# KiCad board mainboard.kicad_pcb
title: ${TITLE}; date: ${DATE}; rev: ${VERSION}; company: ${COPYRIGHT}; note: ${LICENSE}
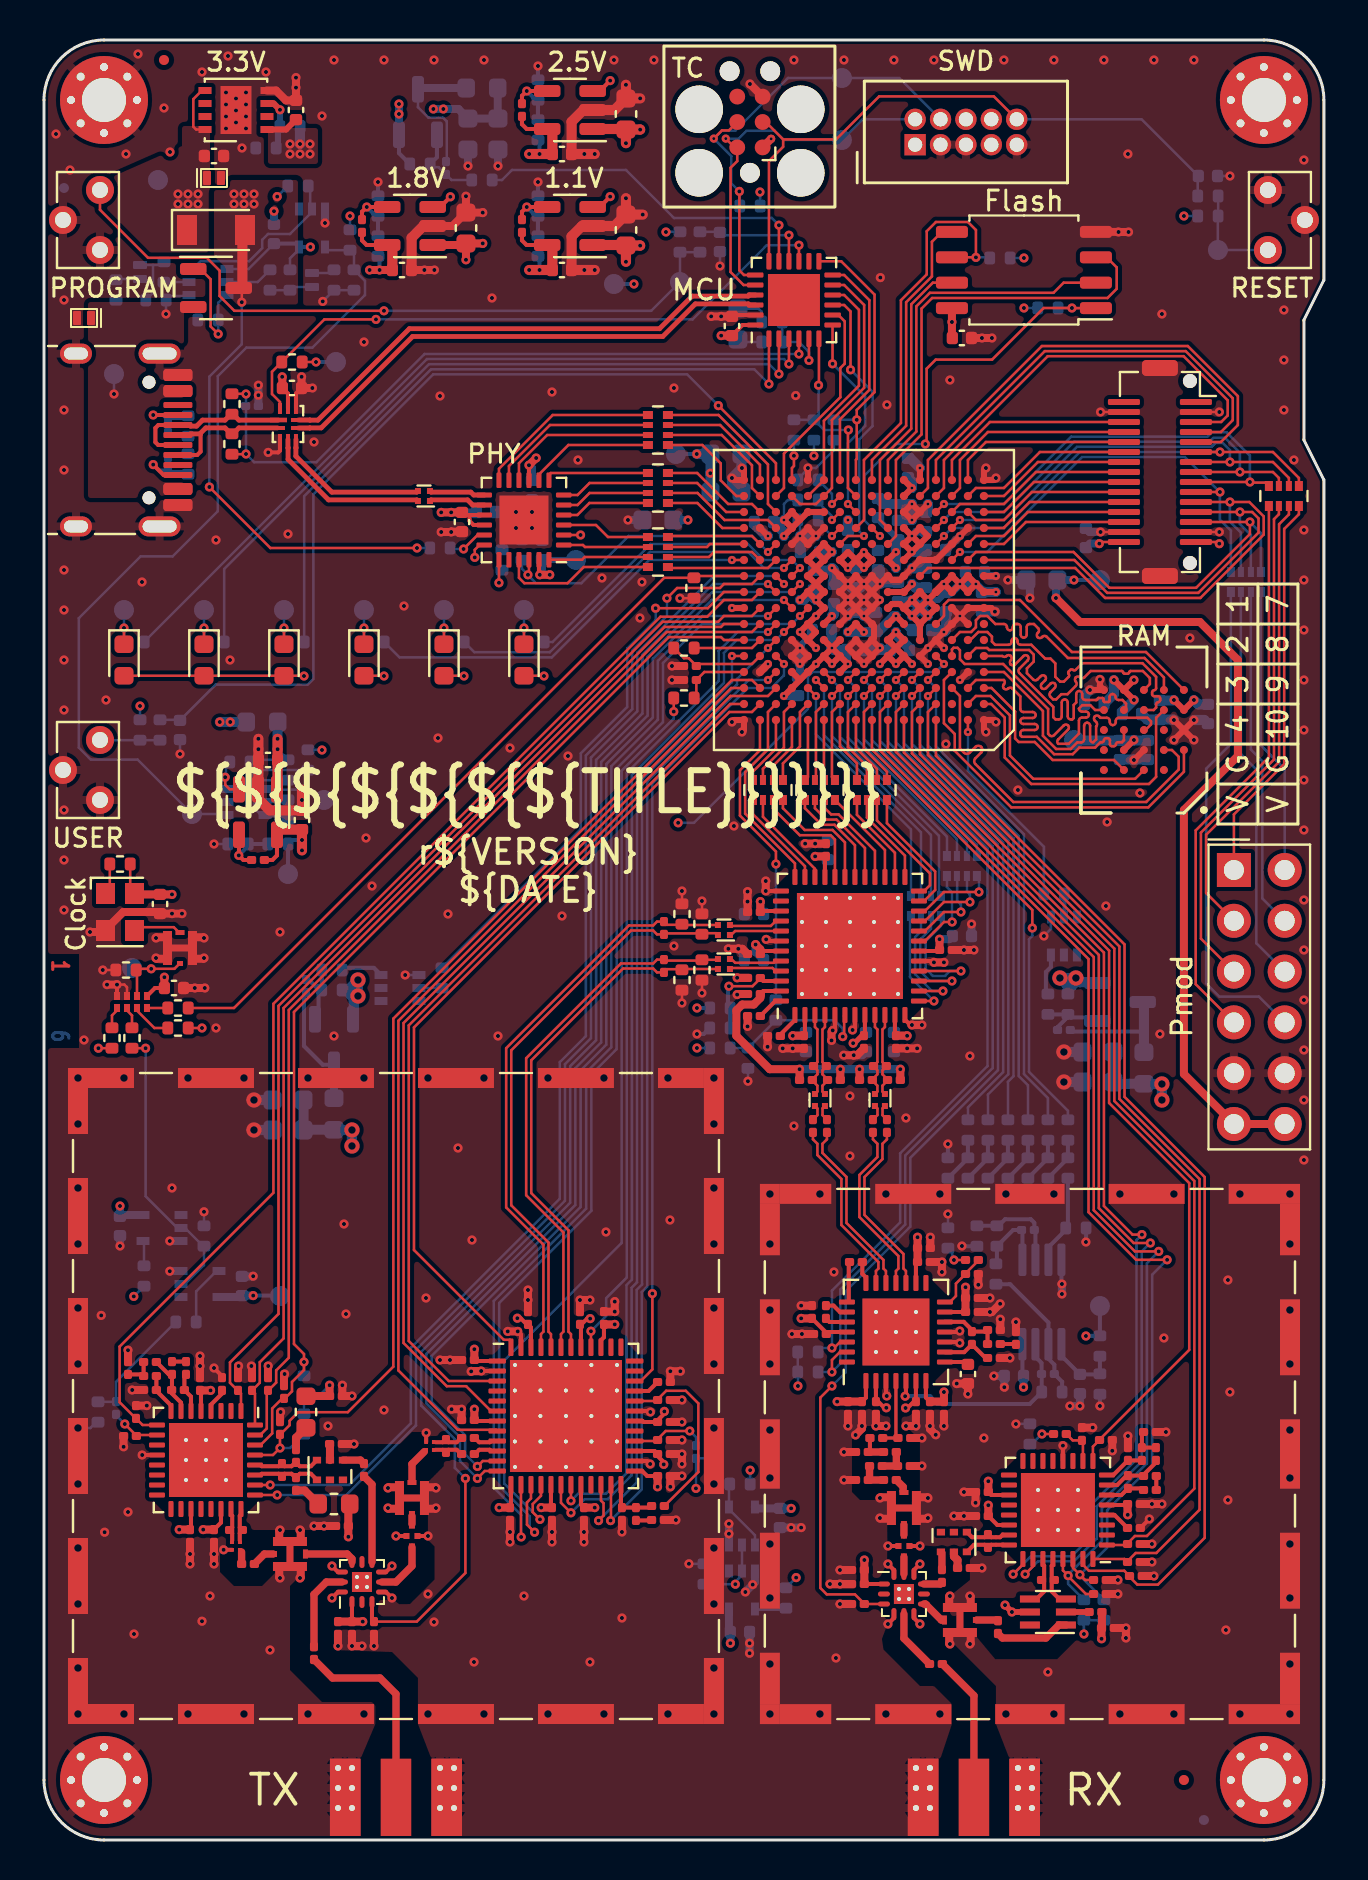
[diagram p0: board, top side]
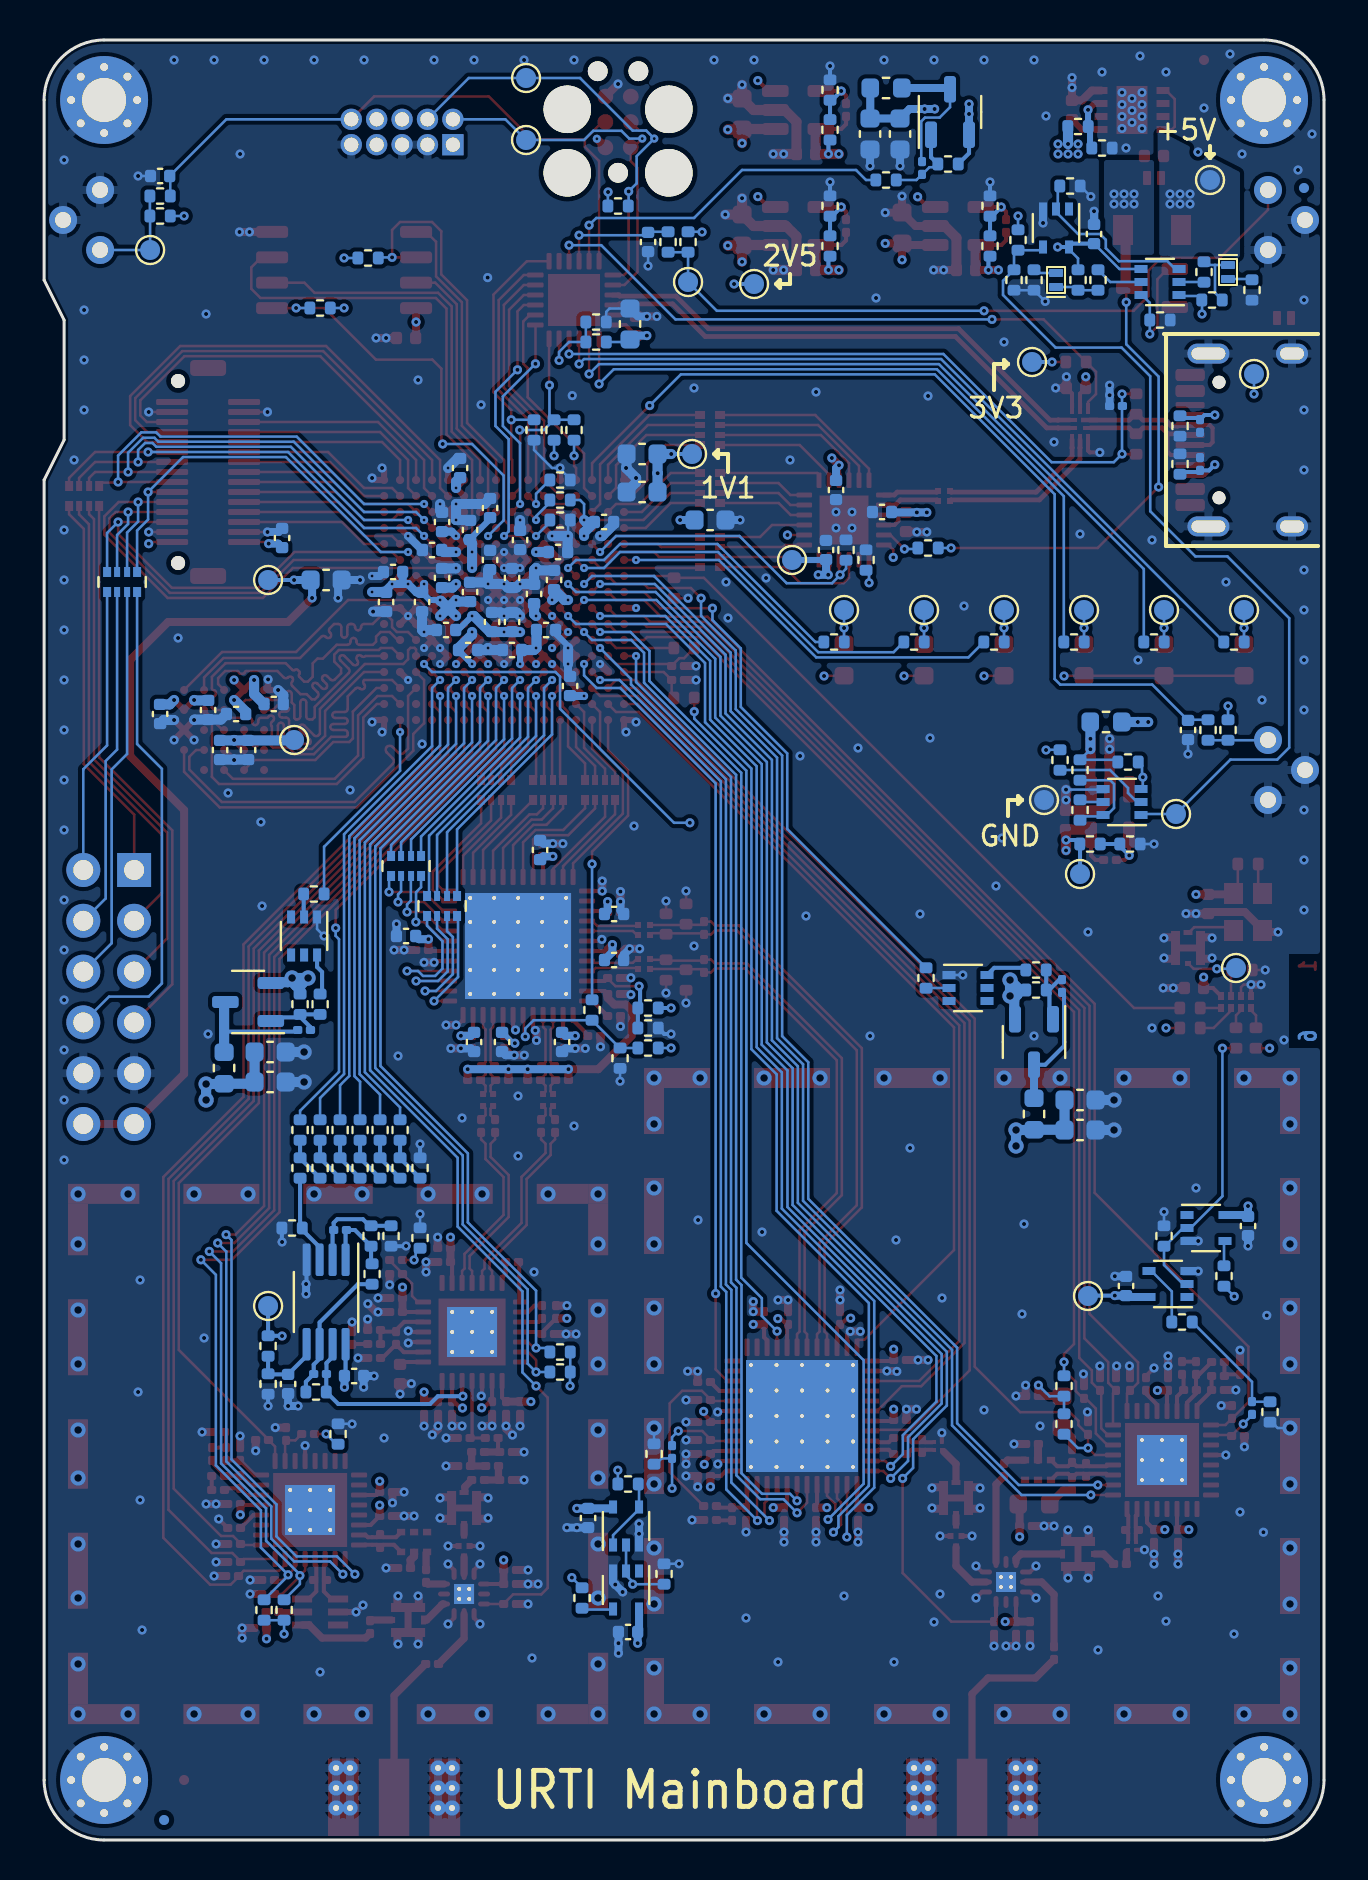
[diagram p1: board, bottom side, seen from below]

Outline 64 x 90 mm; copper layers: Top, In1.Cu, In2.Cu, In3.Cu, In4.Cu, Bottom. Coordinates in mm from the lower left corner of the outline.
Outline path: 0,87 arc(0.88,89.12) 3,90 61,90 arc(63.12,89.12) 64,87 64,78 63,76 63,70 64,68 64,3 arc(63.12,0.88) 61,0 3,0 arc(0.88,0.88) 0,3 0,87
Stack: Top 0.035mm / dielectric 0.2104mm 7628 er 4.4 / In1.Cu 0.0152mm / dielectric 0.4mm FR4 er 4.6 / In2.Cu 0.0152mm / dielectric 0.2028mm 7628 er 4.4 / In3.Cu 0.0152mm / dielectric 0.4mm FR4 er 4.6 / In4.Cu 0.0152mm / dielectric 0.2104mm 7628 er 4.4 / Bottom 0.035mm

## Placement (name value [footprint] x y rotation side)
C1  1uF  [C_0402_1005Metric]  58.2 83.2 0 bottom
C2  10uF  [C_0603_1608Metric]  34.7 75.8 90 bottom
C3  1uF  [C_0402_1005Metric]  34.4 75.7 90 top
C4  100nF  [C_0402_1005Metric]  12.4 72.6 0 top
C5  1nF  [C_0201_0603Metric]  10.4 71.7 0 bottom
C6  330pF  [C_0201_0603Metric]  6.2 70.7 270 bottom
C7  330pF  [C_0201_0603Metric]  6.2 68.8 90 bottom
C8  10uF  [C_0603_1608Metric]  34.1 69.3 0 bottom
C9  10uF  [C_0603_1608Metric]  34.1 67.4 0 bottom
C10  100nF  [C_0402_1005Metric]  41.7 64 270 bottom
C11  100nF  [C_0402_1005Metric]  41.6 60.9 90 bottom
C12  100nF  [C_0402_1005Metric]  40.2 65 90 bottom
C13  1uF  [C_0402_1005Metric]  40.6 60.9 90 bottom
C14  100nF  [C_0402_1005Metric]  43.9 60.5 0 bottom
C15  1uF  [C_0402_1005Metric]  40.6 63.1 270 bottom
C16  1uF  [C_0402_1005Metric]  41.7 66.6 90 bottom
C17  100nF  [C_0402_1005Metric]  39.5 62.3 90 bottom
C18  100nF  [C_0402_1005Metric]  42.7 65.5 90 bottom
C19  10uF  [C_0603_1608Metric]  30.7 66 180 bottom
C20  10uF  [C_0603_1608Metric]  49.9 63 180 bottom
C21  1uF  [C_0402_1005Metric]  38.3 64.4 180 bottom
C22  1uF  [C_0402_1005Metric]  44.6 64.5 0 bottom
C23  100nF  [C_0402_1005Metric]  44.1 63.1 90 bottom
C24  100nF  [C_0402_1005Metric]  40.6 59.5 0 bottom
C25  1uF  [C_0402_1005Metric]  38.5 63 90 bottom
C26  1uF  [C_0402_1005Metric]  42.8 59.5 180 bottom
C27  1uF  [C_0402_1005Metric]  38.9 60.5 180 bottom
C28  1uF  [C_0402_1005Metric]  36 65.9 180 bottom
C29  1uF  [C_0402_1005Metric]  43.2 68.6 90 bottom
C30  1uF  [C_0402_1005Metric]  44.1 65.9 90 bottom
C31  1uF  [C_0402_1005Metric]  46.9 61.9 270 bottom
C32  1uF  [C_0402_1005Metric]  45.1 61.9 270 bottom
C33  10uF  [C_0603_1608Metric]  29.1 80.5 90 top
C34  2.2uF  [C_0402_1005Metric]  12.6 86.5 90 top
C35  1uF  [C_0402_1005Metric]  25.9 78.5 0 top
C36  1uF  [C_0402_1005Metric]  8.5 84.2 0 top
C37  10uF  [C_0603_1608Metric]  29.1 86.3 270 top
C38  10uF  [C_0603_1608Metric]  21.1 80.6 90 top
C39  1uF  [C_0402_1005Metric]  25.9 84.3 0 top
C40  1uF  [C_0402_1005Metric]  17.9 78.5 0 top
C41  100nF  [C_0402_1005Metric]  58.2 56.3 270 bottom
C42  100nF  [C_0402_1005Metric]  52.52 56.8 180 bottom
C43  100nF  [C_0402_1005Metric]  53.8 54.5 270 bottom
C44  100nF  [C_0402_1005Metric]  55.8 56.5 270 bottom
C45  1uF  [C_0402_1005Metric]  54.4 56.3 0 bottom
C46  1uF  [C_0402_1005Metric]  42.7 62.4 90 bottom
C47  1uF  [C_0402_1005Metric]  55.2 54.5 270 bottom
C48  1uF  [C_0402_1005Metric]  22.1 66.4 0 bottom
C49  1uF  [C_0402_1005Metric]  24.9 64.5 90 bottom
C50  100nF  [C_0402_1005Metric]  20.9 65.9 270 top
C51  100nF  [C_0402_1005Metric]  24.4 67.5 270 bottom
C52  1uF  [C_0402_1005Metric]  52.1 65.1 90 bottom
C53  1uF  [C_0402_1005Metric]  6.8 55.5 270 bottom
C54  1uF  [C_0402_1005Metric]  33.8 79.9 270 bottom
C55  100nF  [C_0402_1005Metric]  45.9 75.1 0 top
C56  1uF  [C_0402_1005Metric]  5.8 46.8 270 top
C57  330pF  [C_0201_0603Metric]  23.9 86.5 90 top
C58  1nF  [C_0201_0603Metric]  15.9 80.7 90 top
C59  1nF  [C_0201_0603Metric]  23.9 80.7 90 top
C60  33pF  [C_0201_0603Metric]  31 45.6 90 top
C61  33pF  [C_0201_0603Metric]  31 43.7 90 top
C62  1uF  [C_0402_1005Metric]  3.8 30.7 270 bottom
C63  1uF  [C_0201_0603Metric]  26.8 26.1 90 top
C64  33pF  [C_0201_0603Metric]  38.8 38.7 0 top
C65  33pF  [C_0201_0603Metric]  41.8 38.7 0 top
C66  2.2uF  [C_0402_1005Metric]  38.1 39.9 270 bottom
C67  1uF  [C_0201_0603Metric]  38 39.9 270 top
C68  1uF  [C_0201_0603Metric]  36.5 40.2 0 top
C69  2.2uF  [C_0402_1005Metric]  41.1 39.9 270 bottom
C70  1uF  [C_0201_0603Metric]  41 39.9 270 top
C71  1uF  [C_0201_0603Metric]  35.5 42.3 180 top
C72  1uF  [C_0201_0603Metric]  35.5 41.2 180 top
C73  2.2uF  [C_0402_1005Metric]  42.5 39.9 270 bottom
C74  1uF  [C_0201_0603Metric]  42.6 39.9 270 top
C75  2.2uF  [C_0402_1005Metric]  39.2 49.5 90 bottom
C76  1uF  [C_0201_0603Metric]  39.1 49.5 90 top
C77  2.2uF  [C_0402_1005Metric]  35.5 46.3 180 bottom
C78  1uF  [C_0201_0603Metric]  35.5 46.4 180 top
C79  2.2uF  [C_0402_1005Metric]  35.5 44 180 bottom
C80  1uF  [C_0201_0603Metric]  35.5 44.3 180 top
C81  1uF  [C_0201_0603Metric]  45.1 44.5 0 top
C82  2.2uF  [C_0402_1005Metric]  45.9 45.2 0 bottom
C83  1uF  [C_0201_0603Metric]  31 22.9 0 top
C84  1.5pF  [C_0201_0603Metric]  21.2 19.3 180 top
C85  1.5pF  [C_0201_0603Metric]  21.2 20.1 180 top
C86  68pF  [C_0201_0603Metric]  32.6 19.4 90 bottom
C87  100pF  [C_0201_0603Metric]  31 20 0 top
C88  100pF  [C_0201_0603Metric]  28.9 16.3 90 top
C89  2.2nF  [C_0201_0603Metric]  30.7 16 180 top
C90  68pF  [C_0201_0603Metric]  31 22 180 top
C91  47nF  [C_0201_0603Metric]  39.1 26.4 90 top
C92  47nF  [C_0201_0603Metric]  40.6 28.9 0 top
C93  1uF  [C_0201_0603Metric]  40.7 13.5 0 top
C94  1nF  [C_0201_0603Metric]  46.4 29 180 top
C95  330pF  [C_0201_0603Metric]  46.4 28.3 0 top
C96  100nF  [C_0402_1005Metric]  46.2 23.3 270 top
C97  2.2nF  [C_0201_0603Metric]  47.5 25.5 180 top
C98  33nF  [C_0201_0603Metric]  48.6 25.1 270 top
C99  100pF  [C_0201_0603Metric]  47.5 24.1 180 top
C100  47nF  [C_0201_0603Metric]  42.15 35.7 270 top
C101  47nF  [C_0201_0603Metric]  41.45 35.7 270 top
C102  47nF  [C_0201_0603Metric]  39.15 35.7 270 top
C103  47nF  [C_0201_0603Metric]  38.45 35.7 270 top
C104  1uF  [C_0402_1005Metric]  48.5 23.2 180 bottom
C105  100pF  [C_0201_0603Metric]  49.2 30.5 0 bottom
C106  1uF  [C_0402_1005Metric]  51.8 22.8 270 bottom
C107  100pF  [C_0201_0603Metric]  50.2 23.3 0 bottom
C108  2.0pF  [C_0201_0603Metric]  41.62 20.1 180 top
C109  2.2pF  [C_0201_0603Metric]  42.3 19.4 0 top
C110  2.7pF  [C_0201_0603Metric]  41.6 18.7 180 top
C111  6.2pF  [C_0201_0603Metric]  42.3 18 0 top
C112  100pF  [C_0201_0603Metric]  40.7 12.8 180 top
C113  2.2nF  [C_0201_0603Metric]  40.7 11.8 0 top
C114  1uF  [C_0201_0603Metric]  14.7 10.6 90 top
C115  100pF  [C_0201_0603Metric]  15.4 10.6 270 top
C116  33pF  [C_0201_0603Metric]  54.5 13.9 0 top
C117  33pF  [C_0201_0603Metric]  54.6 13.2 0 top
C118  33pF  [C_0201_0603Metric]  52.8 13 0 top
C119  33pF  [C_0201_0603Metric]  52.8 12.3 0 top
C120  33pF  [C_0201_0603Metric]  53.1 20 0 top
C121  33pF  [C_0201_0603Metric]  54.5 14.8 0 top
C122  330pF  [C_0201_0603Metric]  54.2 19.3 90 top
C123  100pF  [C_0201_0603Metric]  51.9 20.3 90 top
C124  33pF  [C_0201_0603Metric]  50.8 20.3 180 top
C125  330pF  [C_0201_0603Metric]  55.3 20.4 0 top
C126  8.2pF  [C_0201_0603Metric]  54.2 17.9 270 top
C127  180pF  [C_0201_0603Metric]  55.3 18.2 0 top
C128  1uF  [C_0201_0603Metric]  46 13.6 180 top
C129  1uF  [C_0201_0603Metric]  44.9 13.2 90 top
C130  1uF  [C_0201_0603Metric]  53.2 10.6 180 top
C131  100pF  [C_0201_0603Metric]  47.7 10.65 270 top
C132  1uF  [C_0201_0603Metric]  16 18.5 90 top
C133  1uF  [C_0201_0603Metric]  14.6 19.8 180 top
C134  1uF  [C_0201_0603Metric]  14.9 15.7 0 top
C135  1uF  [C_0201_0603Metric]  14.6 22.2 180 top
C136  33pF  [C_0201_0603Metric]  10.4 22.8 90 top
C137  33pF  [C_0201_0603Metric]  11.2 22.8 90 top
C138  33pF  [C_0201_0603Metric]  12 22.4 90 top
C139  33pF  [C_0201_0603Metric]  11.8 20.6 90 top
C140  33pF  [C_0201_0603Metric]  4.6 21.4 90 top
C141  33pF  [C_0201_0603Metric]  9.7 22.8 90 top
C142  100pF  [C_0201_0603Metric]  4.3 20.2 180 top
C143  330pF  [C_0201_0603Metric]  5.3 22.5 180 top
C144  33pF  [C_0201_0603Metric]  3.6 21.6 90 bottom
C145  330pF  [C_0201_0603Metric]  4.2 23.6 90 top
C146  8.2pF  [C_0201_0603Metric]  6.7 22.5 0 top
C147  180pF  [C_0201_0603Metric]  6.4 23.6 90 top
C148  33pF  [C_0201_0603Metric]  10.2 13.8 180 top
C149  2.2nF  [C_0201_0603Metric]  16.5 10.6 90 top
C150  100nF  [C_0201_0603Metric]  13.1 42.7 270 bottom
C151  10uF  [C_0603_1608Metric]  12.2 37 180 bottom
C152  10uF  [C_0603_1608Metric]  12.2 35.5 180 bottom
C153  1uF  [C_0201_0603Metric]  13.5 9.34 270 top
C154  1uF  [C_0201_0603Metric]  44.6 8.8 0 top
C155  100nF  [C_0201_0603Metric]  51 40.5 0 bottom
C156  10uF  [C_0603_1608Metric]  52.7 39.4 180 bottom
C157  10uF  [C_0603_1608Metric]  52.7 37.9 180 bottom
C158  1uF  [C_0402_1005Metric]  6.5 42.6 0 top
C159  1uF  [C_0402_1005Metric]  11.5 80.3 90 bottom
C160  1uF  [C_0402_1005Metric]  36.8 16.1 270 bottom
C161  1uF  [C_0402_1005Metric]  34.8 10.4 0 bottom
C162  2.2uF  [C_0402_1005Metric]  11.2 54 180 top
C163  1nF  [C_0201_0603Metric]  32.3 58.7 180 top
C164  1nF  [C_0201_0603Metric]  32.3 58 180 top
C165  1uF  [C_0201_0603Metric]  35.5 43.1 180 top
C166  1nF  [C_0201_0603Metric]  40.9 21.6 270 top
C167  1nF  [C_0201_0603Metric]  41.6 21.6 270 top
C168  1nF  [C_0201_0603Metric]  43.6 21.6 270 top
C169  1nF  [C_0201_0603Metric]  44.3 21.6 270 top
C170  1nF  [C_0201_0603Metric]  46.4 26.4 0 top
C171  1nF  [C_0201_0603Metric]  44 28.9 0 top
C172  1nF  [C_0201_0603Metric]  38.8 25.3 180 top
C173  1uF  [C_0201_0603Metric]  40.2 21.6 270 top
C174  1uF  [C_0201_0603Metric]  45 21.6 270 top
C175  1uF  [C_0201_0603Metric]  46.4 27.1 0 top
C176  1uF  [C_0201_0603Metric]  21.2 24 0 top
C177  1uF  [C_0201_0603Metric]  21.2 21 0 top
C178  1uF  [C_0201_0603Metric]  23.3 16.3 90 top
C179  1uF  [C_0201_0603Metric]  25.4 16.3 90 top
C180  1uF  [C_0201_0603Metric]  27 16.3 90 top
C181  1uF  [C_0201_0603Metric]  31 18.2 180 top
C182  1uF  [C_0201_0603Metric]  31 19.3 180 top
C183  1uF  [C_0201_0603Metric]  31 20.9 180 top
C184  1uF  [C_0201_0603Metric]  28 26.1 270 top
C185  1nF  [C_0201_0603Metric]  10.7 49 180 top
C186  1uF  [C_0201_0603Metric]  54.5 16.8 180 top
C187  1uF  [C_0201_0603Metric]  7.8 22.8 270 top
C188  1uF  [C_0201_0603Metric]  46.9 17.4 0 top
C189  1uF  [C_0201_0603Metric]  7.3 15.2 90 top
C190  1uF  [C_0201_0603Metric]  46.9 16.2 0 top
C191  1uF  [C_0201_0603Metric]  8.5 15.2 90 top
C192  1uF  [C_0402_1005Metric]  12.9 51 90 top
C193  1uF  [C_0201_0603Metric]  24.2 26.1 90 top
C194  1uF  [C_0201_0603Metric]  44 29.6 0 top
C195  1uF  [C_0201_0603Metric]  38.4 26.4 90 top
C196  1uF  [C_0402_1005Metric]  9.9 27.7 90 bottom
C197  100nF  [C_0201_0603Metric]  20.1 83.6 90 bottom
C198  10uF  [C_0603_1608Metric]  21.2 85.3 270 bottom
C199  10uF  [C_0603_1608Metric]  22.7 85.3 270 bottom
C200  1uF  [C_0402_1005Metric]  37.7 57.7 90 bottom
C201  1uF  [C_0402_1005Metric]  46.55 63.4 0 bottom
D1  RED  [LED_0603_1608Metric]  4 59 270 top
D2  ORANGE  [LED_0603_1608Metric]  8 59 270 top
D3  YELLOW  [LED_0603_1608Metric]  12 59 270 top
D4  GREEN  [LED_0603_1608Metric]  16 59 270 top
D5  BLUE  [LED_0603_1608Metric]  20 59 270 top
D6  PURPLE  [LED_0603_1608Metric]  24 59 270 top
D7  TVS  [DFN1006-2]  2 76.1 180 top
D8  D  [D_SOD-123FL]  8.6 80.5 0 top
D9  6.2±2%  [DFN1006-2]  8.5 83.1 0 top
D10  5.6±2%  [DFN1006-2]  4.8 78.4 270 bottom
D11  3.0±2%  [DFN1006-2]  13.4 78 90 bottom
FB1  FerriteBead  [L_0603_1608Metric]  14.5 36.3 270 bottom
FB2  FerriteBead  [L_0603_1608Metric]  55 38.6 270 bottom
FB3  FerriteBead  [L_0603_1608Metric]  10.9 55.9 180 bottom
FB4  FerriteBead  [L_0603_1608Metric]  21.9 87.6 0 bottom
FID1  Fiducial  [Fiducial_0.5mm_Mask1mm]  6 89 0 top
FID2  Fiducial  [Fiducial_0.5mm_Mask1mm]  57 3 0 top
FID3  Fiducial  [Fiducial_0.5mm_Mask1mm]  1 82.6 180 bottom
FID4  Fiducial  [Fiducial_0.5mm_Mask1mm]  58 1 180 bottom
FL1  CommonModeChoke  [L_CommonModeChoke_Murata_DLM0NS]  19 67.2 180 top
FL2  LPF  [Filter_Pulse_LPF1005LL50R2400A_1.5x0.5mm]  18.4 15.2 0 top
FL3  LPF  [Filter_Pulse_LPF1005LL50R2400A_1.5x0.5mm]  43 14.7 180 top
FL4  CommonModeChoke  [L_CommonModeChoke_Murata_DLM0NS]  41.8 37 270 top
FL5  CommonModeChoke  [L_CommonModeChoke_Murata_DLM0NS]  38.8 37 270 top
FL6  CommonModeChoke  [L_CommonModeChoke_Murata_DLM0NS]  34 43.8 180 top
FL7  CommonModeChoke  [L_CommonModeChoke_Murata_DLM0NS]  34 45.5 180 top
H1  MountingHole  [MountingHole_2.2mm_M2_Pad_Via]  3 3 0 top
H2  MountingHole  [MountingHole_2.2mm_M2_Pad_Via]  3 87 0 top
H3  MountingHole  [MountingHole_2.2mm_M2_Pad_Via]  61 87 0 top
H4  MountingHole  [MountingHole_2.2mm_M2_Pad_Via]  61 3 0 top
J1  USB_C  [USB_C_Receptacle_HRO_TYPE-C-31-M-12]  2.65 70 270 top
J2  MCU_SWD  [SWD_CONNECTOR_LARGE_BOX]  46.1 85.4 0 top
J3  TC_SWD  [Tag-Connect_TC2030-IDC-FP_2x03_P1.27mm_Vertical]  35.3 85.9 90 top
J4  PMOD  [PinSocket_2x06_P2.54mm_PMOD]  59.5 48.5 180 top
J5  SWH  [Murata_SWH_MM8930-26xx]  45.8 11 90 top
J6  MEZZANINE  [Amphenol_10132798-03]  55.8 68.4 270 top
J7  SMA  [Linx_SMA_CONSMA003.062]  46.5 0 90 top
J8  SMA  [Linx_SMA_CONSMA003.062]  17.6 0 90 top
J9  SWH  [Murata_SWH_MM8930-26xx]  43 16.6 0 top
J10  SWH  [Murata_SWH_MM8930-26xx]  12.3 14.3 270 top
J11  SWH  [Murata_SWH_MM8930-26xx]  18.4 17.1 0 top
J12  SWH  [Murata_SWH_MM8930-26xx]  6.8 44.6 0 top
J13  RFShield_Frame  [Laird_Technologies_BMI-S-204-F_32.00x32.00mm]  17.6 22.2 0 top
J14  RFShield_Frame  [Laird_Technologies_BMI-S-203-F_26.21x26.21mm]  49.3 19.3 0 top
L1  DNP  [L_0201_0603Metric]  20.1 19.7 90 top
L2  9.1nH  [L_0201_0603Metric]  43.02 20.1 0 top
L3  5.6nH  [L_0201_0603Metric]  40.9 19.4 180 top
L4  6.2nH  [L_0201_0603Metric]  43 18.7 0 top
L5  7.5nH  [L_0201_0603Metric]  40.9 18 180 top
L6  DNP  [L_0201_0603Metric]  47.2 14.95 90 top
L7  DNP  [L_0201_0603Metric]  50.2 13 180 top
L8  100nH  [L_0201_0603Metric]  52.58 11.4 180 top
L9  DNP  [L_0201_0603Metric]  11.9 18.5 270 top
L10  DNP  [L_0201_0603Metric]  9.6 15.5 180 top
L11  33nH  [L_0201_0603Metric]  12.6 17.8 90 top
L12  47uH  [L_0603_1608Metric]  14.5 16.8 180 top
L13  33nH  [L_0201_0603Metric]  12.6 19.2 270 top
L14  47uH  [L_0603_1608Metric]  13.1 21.4 270 top
Q1  PMOS  [SOT-23-3]  8.6 77.6 0 top
Q2  2PNP  [SOT-363_SC-70-6]  8.2 77.9 0 bottom
Q3  PMOS  [SOT-23-3]  14.5 39.9 270 bottom
Q4  2NPN  [SOT-363_SC-70-6]  17.8 42.6 180 bottom
Q5  PMOS  [SOT-23-3]  53.8 41.9 0 bottom
Q6  2NPN  [SOT-363_SC-70-6]  10.1 51.9 0 bottom
Q7  2NPN  [SOT-363_SC-70-6]  51 45.2 270 bottom
Q8  PMOS  [SOT-23-3]  18.7 86.4 90 bottom
R1  DNP  [R_0402_1005Metric]  36.4 74.9 0 bottom
R2  8.06k±1%  [R_0402_1005Metric]  36.4 75.9 180 bottom
R3  820k  [R_0402_1005Metric]  58.2 81.2 0 bottom
R4  8.06k±1%  [R_0402_1005Metric]  58.2 82.2 180 bottom
R5  10k  [R_0402_1005Metric]  35.3 81.7 180 bottom
R6  10k  [R_0402_1005Metric]  12.4 73.9 180 top
R7  820k  [R_0402_1005Metric]  9.4 71.8 90 top
R8  820k  [R_0402_1005Metric]  9.4 69.8 90 top
R9  5.1k  [R_0402_1005Metric]  7.2 70.7 90 bottom
R10  5.1k  [R_0402_1005Metric]  7.2 68.8 270 bottom
R11  18.7k±1%  [R_0402_1005Metric]  5.6 77 180 bottom
R12  33k  [R_0402_1005Metric]  51.2 41.79 270 bottom
R13  33k  [R_0402_1005Metric]  6 78.4 90 bottom
R14  33k  [R_0402_1005Metric]  8.2 76 180 bottom
R15  18.7k±1%  [R_0402_1005Metric]  3.6 77.5 270 bottom
R16  57.6k±1%  [R_0402_1005Metric]  12.3 85.67 180 bottom
R17  18.7k±1%  [R_0402_1005Metric]  11.1 84.6 180 bottom
R18  10k  [R_0402_1005Metric]  3.8 48.8 180 top
R19  20k  [R_0402_1005Metric]  19.8 64.6 0 bottom
R20  8.06k±1%  [R_0402_1005Metric]  22.9 64 270 bottom
R21  10k  [R_0402_1005Metric]  23.9 64.5 90 bottom
R22  10k  [R_0402_1005Metric]  4.8 55.5 270 bottom
R23  33k  [R_0402_1005Metric]  5.8 55.5 270 bottom
R24  1k  [R_0402_1005Metric]  4.5 59.9 0 bottom
R25  1k  [R_0402_1005Metric]  8.5 59.9 0 bottom
R26  1k  [R_0402_1005Metric]  12.5 59.9 0 bottom
R27  10k  [R_0402_1005Metric]  16.5 59.9 0 bottom
R28  2.2k  [R_0402_1005Metric]  20.5 59.9 0 bottom
R29  2.2k  [R_0402_1005Metric]  24.5 59.9 0 bottom
R30  330  [R_0402_1005Metric]  33.8 39.6 0 bottom
R31  510  [R_0402_1005Metric]  35.2 39.09 270 bottom
R32  8.06k±1%  [R_0402_1005Metric]  31.8 79.9 270 bottom
R33  18.7k±1%  [R_0402_1005Metric]  32.8 79.9 270 bottom
R34  100  [R_0402_1005Metric]  5 28.2 270 bottom
R35  100  [R_0402_1005Metric]  7.1 25.9 180 bottom
R36  100  [R_0402_1005Metric]  34.8 17.8 180 bottom
R37  5.1k  [R_0402_1005Metric]  47.8 79.1 180 bottom
R38  5.1k  [R_0402_1005Metric]  50.2 76.6 0 bottom
R39  330  [R_0402_1005Metric]  38.2 66 180 bottom
R40  5.1k  [R_0402_1005Metric]  38.2 67 180 bottom
R41  330  [R_0402_1005Metric]  38.2 68 180 bottom
R42  2.2k  [R_0402_1005Metric]  39.5 70.5 270 bottom
R43  5.1k  [R_0402_1005Metric]  38.5 70.5 90 bottom
R44  2.2k  [R_0402_1005Metric]  37.5 70.5 270 bottom
R45  100  [R_0402_1005Metric]  6.7 41.6 0 top
R46  37.4k±1%  [R_0402_1005Metric]  46.2 35.5 270 bottom
R47  37.4k±1%  [R_0402_1005Metric]  45.2 33.6 90 bottom
R48  18.7k±1%  [R_0402_1005Metric]  46.2 33.6 270 bottom
R49  37.4k±1%  [R_0402_1005Metric]  47.2 35.5 270 bottom
R50  5.1k  [R_0402_1005Metric]  31.9 43 270 top
R51  5.1k  [R_0402_1005Metric]  32.9 43.5 270 top
R52  5.1k  [R_0402_1005Metric]  32.9 45.8 90 top
R53  5.1k  [R_0402_1005Metric]  31.9 46.3 90 top
R54  10.7k±1%  [R_0402_1005Metric]  33.8 41.6 0 bottom
R55  4.22k±1%  [R_0402_1005Metric]  33.8 40.6 180 bottom
R56  820  [R_0201_0603Metric]  42.5 38 0 top
R57  820  [R_0201_0603Metric]  41.1 38 180 top
R58  1.2k  [R_0201_0603Metric]  29.6 16.3 90 top
R59  750  [R_0201_0603Metric]  30.7 16.7 180 top
R60  2.2k  [R_0402_1005Metric]  38.2 24.4 180 bottom
R61  2.2k  [R_0402_1005Metric]  38.2 23.4 180 bottom
R62  390  [R_0201_0603Metric]  47.5 24.8 180 top
R63  820  [R_0201_0603Metric]  46.4 25.1 90 top
R64  18.7k±1%  [R_0402_1005Metric]  47.2 33.6 270 bottom
R65  37.4k±1%  [R_0402_1005Metric]  48.2 35.5 270 bottom
R66  18.7k±1%  [R_0402_1005Metric]  48.2 33.6 270 bottom
R67  37.4k±1%  [R_0402_1005Metric]  49.2 35.5 270 bottom
R68  18.7k±1%  [R_0402_1005Metric]  49.2 33.6 270 bottom
R69  37.4k±1%  [R_0402_1005Metric]  50.2 35.5 270 bottom
R70  18.7k±1%  [R_0402_1005Metric]  50.2 33.6 270 bottom
R71  37.4k±1%  [R_0402_1005Metric]  51.2 35.5 270 bottom
R72  18.7k±1%  [R_0402_1005Metric]  51.2 33.6 270 bottom
R73  37.4k±1%  [R_0402_1005Metric]  51.6 30.6 0 bottom
R74  54.9k±1%  [R_0402_1005Metric]  46.65 30.2 90 bottom
R75  18.7k±1%  [R_0402_1005Metric]  47.65 30.2 90 bottom
R76  18.7k±1%  [R_0402_1005Metric]  47.6 28.3 90 bottom
R77  54.9k±1%  [R_0402_1005Metric]  52.8 24.7 90 bottom
R78  37.4k±1%  [R_0402_1005Metric]  52.8 22.8 270 bottom
R79  18.7k±1%  [R_0402_1005Metric]  50.4 22.4 0 bottom
R80  10k  [R_0402_1005Metric]  53 11.5 90 bottom
R81  10k  [R_0402_1005Metric]  52 11.5 90 bottom
R82  51k±1%  [R_0201_0603Metric]  54.5 15.6 0 top
R83  470  [R_0201_0603Metric]  54.9 19.3 90 top
R84  470  [R_0201_0603Metric]  55.6 19.3 270 top
R85  22k  [R_0201_0603Metric]  55.3 17.5 0 top
R86  10k  [R_0402_1005Metric]  13 22.7 90 bottom
R87  10k  [R_0402_1005Metric]  13 20.8 270 bottom
R88  51k±1%  [R_0201_0603Metric]  8.9 22.8 90 top
R89  470  [R_0201_0603Metric]  5.3 23.2 180 top
R90  470  [R_0201_0603Metric]  5.3 23.9 0 top
R91  22k  [R_0201_0603Metric]  7.1 23.6 90 top
R92  8.06k±1%  [R_0402_1005Metric]  12.3 78 270 bottom
R93  8.06k±1%  [R_0402_1005Metric]  14.5 78 270 bottom
R94  0  [R_0402_1005Metric]  11.3 78 270 bottom
R95  33k  [R_0402_1005Metric]  12.7 82.7 180 bottom
R96  0  [R_0402_1005Metric]  15.5 78 90 bottom
R97  33k  [R_0402_1005Metric]  15.3 80 270 bottom
R98  33k  [R_0402_1005Metric]  14.4 42.5 180 bottom
R99  2.2k  [R_0402_1005Metric]  19.9 43.1 90 bottom
R100  5.1k  [R_0402_1005Metric]  14.4 43.5 0 bottom
R101  2.2k  [R_0402_1005Metric]  50.51 47.3 180 bottom
R102  5.1k  [R_0402_1005Metric]  50.2 41.79 90 bottom
R103  100  [R_0402_1005Metric]  6.7 40.6 0 top
R104  100  [R_0402_1005Metric]  3.4 40.1 270 top
R105  100  [R_0402_1005Metric]  4.4 40.1 270 top
R106  100  [R_0402_1005Metric]  37.1 12.1 90 bottom
R107  2.2k  [R_0402_1005Metric]  12.2 51.5 270 bottom
R108  10k  [R_0402_1005Metric]  12.2 53.5 270 bottom
R109  47k±1%  [R_0402_1005Metric]  11.7 49.8 180 bottom